# Altium PCB Netscale48HD_Sensorbar_Master.PcbDoc (part 1 of 5) (continued)
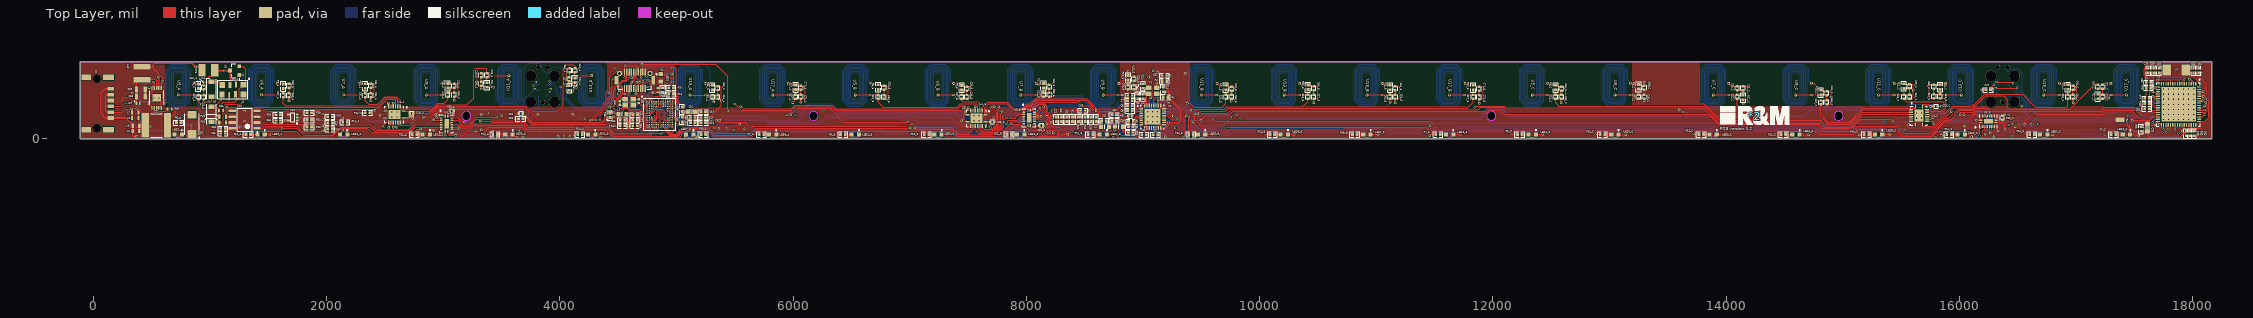
[diagram p0: Top Layer view]
## Components (designator, comment, footprint, x,y, rotation, side; value= is the part's Value field where it differs from the comment) (continued)
C75 "4.7uF" "CERAMIC CAPACITOR 0603 EIA" 17611.08,95.57 r270 top
C76 "0.1uF" "CERAMIC CAPACITOR 0402 EIA" 17554.98,83.76 r270 top
C77 "0.1uF" "CERAMIC CAPACITOR 0402 EIA" 17607.54,346.7 r0 top
C78 "0.1uF" "CERAMIC CAPACITOR 0402 EIA" 17618.56,584.95 r270 top
C79 "0.1uF" "CERAMIC CAPACITOR 0402 EIA" 17621.02,434.75 r0 top
C80 "0.1uF" "CERAMIC CAPACITOR 0402 EIA" 17621.02,483.96 r0 top
C81 "0.1uF" "CERAMIC CAPACITOR 0402 EIA" 17941.31,46.81 r90 top
C82 "0.1uF" "CERAMIC CAPACITOR 0402 EIA" 18010.21,46.81 r90 top
C83 "0.1uF" "CERAMIC CAPACITOR 0402 EIA" 17976.31,46.81 r90 top
C84 "4.7uF" "CERAMIC CAPACITOR 0603 EIA" 5126.89,233.86 r0 top
C85 "2.2uF" "CERAMIC CAPACITOR 0402 EIA" 5048.55,164.57 r270 top
C86 "2.2uF" "CERAMIC CAPACITOR 0402 EIA" 5048.55,253.54 r90 top
C87 "2.2uF" "CERAMIC CAPACITOR 0402 EIA" 8485.16,243.7 r0 top
C88 "0.1uF" "CERAMIC CAPACITOR 0402 EIA" 3665.25,171.99 r0 top
D1 "SMAJ51A" "BOURNS_DO-214AC (SMA) SMALL_2_R" 846.4,123.84 r90 top
D4 "P0080S4BLRP" P0080S4BLRP 1015.14,425.2 r90 top
D5 "P0080S4BLRP" P0080S4BLRP 1015.14,210.07 r90 top
D6 "CDSOT23-SM712" BOUR-SOT23-3_V 1213.12,584.77 r180 top
D7 "DESD3V3S1BL-7B" DFN1006-2 384.82,305.71 r0 top
FB1 "BK1005HS102-T" CAPC1005X55N 8888.56,195 r180 top
J1 "CONN_Erni" "ERNI_214013 RANDMONTAGE_6_R" 43.94,303.11 r90 top
J2 "DF12(3.5)-20DP-0.5V(86)" DF12(4.0)-20DP 4643.7,501.97 r0 top
L1 "HK1608R10J-T" "INDUCTOR 0603 EIA" 8793.43,103.15 r180 top value=100nH
L2 "HK1608R10J-T" "INDUCTOR 0603 EIA" 8673.35,103.15 r180 top value=100nH
L5 "BLM18KG601SN1D" "CAP-0603[1608] - RFL" 366.68,65.73 r0 top
L6 "BLM18KG601SN1D" "CAP-0603[1608] - RFL" 366.68,111.94 r0 top
L7 "BLM18KG601SN1D" "CAP-0603[1608] - RFL" 361.17,224.51 r0 top
L8 "BLM18KG601SN1D" "CAP-0603[1608] - RFL" 361.17,178.07 r0 top
L9 "600R(Z)" "INDUCTOR 0603 EIA" 4537.26,211.27 r0 top
L10 "78438357068" "WüRTH_SPECIAL MURATA LQH5BPN_2_R" 418.24,562.44 r90 top
LED1_A "APA1606SURCK" KINGBRIGHT_SMD_2_RWH 730.06,37.4 r180 top (schematic designator LED1)
LED1_B "APA1606SURCK" KINGBRIGHT_SMD_2_RWH 6533.88,37.4 r180 top (schematic designator LED1)
LED1_C "APA1606SURCK" KINGBRIGHT_SMD_2_RWH 12337.2,37.4 r180 top (schematic designator LED1)
LED2_A "APA1606SURCK" KINGBRIGHT_SMD_2_RWH 1439.79,37.4 r180 top (schematic designator LED2)
LED2_B "APA1606SURCK" KINGBRIGHT_SMD_2_RWH 7241.84,37.4 r180 top (schematic designator LED2)
LED2_C "APA1606SURCK" KINGBRIGHT_SMD_2_RWH 13045.08,37.4 r180 top (schematic designator LED2)
LED3_A "APA1606SURCK" KINGBRIGHT_SMD_2_RWH 2147.26,37.61 r180 top (schematic designator LED3)
LED3_B "APA1606SURCK" KINGBRIGHT_SMD_2_RWH 7950.91,37.05 r180 top (schematic designator LED3)
LED3_C "APA1606SURCK" KINGBRIGHT_SMD_2_RWH 13886.9,37.4 r180 top (schematic designator LED3)
LED4_A "APA1606SURCK" KINGBRIGHT_SMD_2_RWH 2856.16,37.61 r180 top (schematic designator LED4)
LED4_B "APA1606SURCK" KINGBRIGHT_SMD_2_RWH 8659.84,37.4 r180 top (schematic designator LED4)
LED4_C "APA1606SURCK" KINGBRIGHT_SMD_2_RWH 14596.92,37.4 r180 top (schematic designator LED4)
LED5_A "APA1606SURCK" KINGBRIGHT_SMD_2_RWH 3564.62,37.4 r180 top (schematic designator LED5)
LED5_B "APA1606SURCK" KINGBRIGHT_SMD_2_RWH 9501.58,38 r180 top (schematic designator LED5)
LED5_C "APA1606SURCK" KINGBRIGHT_SMD_2_RWH 15305.52,37.4 r180 top (schematic designator LED5)
LED6_A "APA1606SURCK" KINGBRIGHT_SMD_2_RWH 4273.58,37.4 r180 top (schematic designator LED6)
LED6_B "APA1606SURCK" KINGBRIGHT_SMD_2_RWH 10211.25,37.4 r180 top (schematic designator LED6)
LED6_C "APA1606SURCK" KINGBRIGHT_SMD_2_RWH 16014.12,37.4 r180 top (schematic designator LED6)
LED7_A "APA1606SURCK" KINGBRIGHT_SMD_2_RWH 5115.13,37.4 r180 top (schematic designator LED7)
LED7_B "APA1606SURCK" KINGBRIGHT_SMD_2_RWH 10919.71,37.4 r180 top (schematic designator LED7)
LED7_C "APA1606SURCK" KINGBRIGHT_SMD_2_RWH 16722.26,37.4 r180 top (schematic designator LED7)
LED8_A "APA1606SURCK" KINGBRIGHT_SMD_2_RWH 5825.32,37.4 r180 top (schematic designator LED8)
LED8_B "APA1606SURCK" KINGBRIGHT_SMD_2_RWH 11628.94,37.4 r180 top (schematic designator LED8)
LED8_C "APA1606SURCK" KINGBRIGHT_SMD_2_RWH 17430.75,37.4 r180 top (schematic designator LED8)
LED9 "blue led" KINGBRIGHT_SMD_2_RWH 4866,523.62 r270 top
P1 "CONN_2X10" FTSH-110-01-F-DH 3960.98,127.92 r0 bottom
P2 "CONN_2X03" FTSH-103-01-F-DH 9303.82,433 r0 bottom
P3 "J-LINK 10-PIN" CONN-SEGGER-10-PIN 3854.8,314.96 r90 bottom
P4 "J-LINK 10-PIN" CONN-SEGGER-10-PIN 16368.79,314.96 r90 bottom
P5 "Pad_1mmx2mm" PAD_1MMX2MM 17375.73,162.04 r270 top
R1 "RC0402FR-071KL" RESC1005X40N 9193.25,355 r180 top value=1K
R2 "RC0402FR-071KL" RESC1005X40N 8395.4,167.72 r270 top value=1K
R3 "RC0402FR-071KL" RESC1005X40N 8345.4,167.72 r90 top value=1K
R4 "DNP" RESC1005X40N 9182.93,492 r0 top
R5 "10K" "RES-0402[1005] - RFL" 4841.85,417.32 r90 top
R6_A "CRGP0402F68R" RESC1005X40N 733.6,139.17 r180 top value=68R (schematic designator R6)
R6_B "CRGP0402F68R" RESC1005X40N 6426.97,37.05 r0 top value=68R (schematic designator R6)
R6_C "CRGP0402F68R" RESC1005X40N 12229.91,37.4 r0 top value=68R (schematic designator R6)
R7_A "CRGP0402F68R" RESC1005X40N 5729.2,37.22 r0 top value=68R (schematic designator R7)
R7_B "CRGP0402F68R" RESC1005X40N 11529.07,37.4 r0 top value=68R (schematic designator R7)
R7_C "CRGP0402F68R" RESC1005X40N 17318.28,36.97 r0 top value=68R (schematic designator R7)
R8_A "ERJ-2RKF6200X" RESC1005X40N 901.86,450.59 r270 top value=620 (schematic designator R8)
R8_B "ERJ-2RKF6200X" RESC1005X40N 6730.16,443.47 r270 top value=620 (schematic designator R8)
R8_C "ERJ-2RKF6200X" RESC1005X40N 12536.71,440.25 r270 top value=620 (schematic designator R8)
R9_A "ERJ-2RKF6200X" RESC1005X40N 1628.74,450.61 r270 top value=620 (schematic designator R9)
R9_B "ERJ-2RKF6200X" RESC1005X40N 7444.74,438.6 r270 top value=620 (schematic designator R9)
R9_C "ERJ-2RKF6200X" RESC1005X40N 13247.61,446.55 r270 top value=620 (schematic designator R9)
R10_A "CRGP0402F68R" RESC1005X40N 1330,37.4 r0 top value=68R (schematic designator R10)
R10_B "CRGP0402F68R" RESC1005X40N 7145.23,37.05 r0 top value=68R (schematic designator R10)
R10_C "CRGP0402F68R" RESC1005X40N 12938.8,37.4 r0 top value=68R (schematic designator R10)
R11_A "CRGP0402F68R" RESC1005X40N 2158.71,143.85 r180 top value=68R (schematic designator R11)
R11_B "CRGP0402F68R" RESC1005X40N 7853.69,37.44 r0 top value=68R (schematic designator R11)
R11_C "CRGP0402F68R" RESC1005X40N 13785.93,37.4 r0 top value=68R (schematic designator R11)
R12_A "CRGP0402F68R" RESC1005X40N 2753.72,37.4 r0 top value=68R (schematic designator R12)
R12_B "CRGP0402F68R" RESC1005X40N 8550.63,37.05 r0 top value=68R (schematic designator R12)
R12_C "CRGP0402F68R" RESC1005X40N 14488.86,37.4 r0 top value=68R (schematic designator R12)
R13_A "CRGP0402F68R" RESC1005X40N 3445.92,37.61 r0 top value=68R (schematic designator R13)
R13_B "CRGP0402F68R" RESC1005X40N 9410.71,38 r0 top value=68R (schematic designator R13)
R13_C "CRGP0402F68R" RESC1005X40N 15201.56,37.36 r0 top value=68R (schematic designator R13)
R14_A "CRGP0402F68R" RESC1005X40N 4173,37.33 r0 top value=68R (schematic designator R14)
R14_B "CRGP0402F68R" RESC1005X40N 10108.49,37.4 r0 top value=68R (schematic designator R14)
R14_C "CRGP0402F68R" RESC1005X40N 15910.78,36.97 r0 top value=68R (schematic designator R14)
R15_A "CRGP0402F68R" RESC1005X40N 5230.44,37.22 r180 top value=68R (schematic designator R15)
R15_B "CRGP0402F68R" RESC1005X40N 10815.65,37.4 r0 top value=68R (schematic designator R15)
R15_C "CRGP0402F68R" RESC1005X40N 16621.66,36.97 r0 top value=68R (schematic designator R15)
R16 "0R" "RESISTOR 0402 EIA" 17607.54,302.27 r0 top
R17_A "ERJ-2RKF6200X" RESC1005X40N 2331.35,452.82 r270 top value=620 (schematic designator R17)
R17_B "ERJ-2RKF6200X" RESC1005X40N 8146.91,455.03 r270 top value=620 (schematic designator R17)
R17_C "ERJ-2RKF6200X" RESC1005X40N 14144.35,354.94 r90 top value=620 (schematic designator R17)
R18 "1K" "RESISTOR 0402 EIA" 4954.85,383.86 r0 top
R19_A "ERJ-2RKF6200X" RESC1005X40N 3039.37,455.54 r270 top value=620 (schematic designator R19)
R19_B "ERJ-2RKF6200X" RESC1005X40N 8871.63,523.54 r270 top value=620 (schematic designator R19)
R19_C "ERJ-2RKF6200X" RESC1005X40N 14810.97,396.41 r270 top value=620 (schematic designator R19)
R20 "10K" "RESISTOR 0402 EIA" 2031.35,82 r0 top
R21_A "ERJ-2RKF6200X" RESC1005X40N 3375.95,461.89 r90 top value=620 (schematic designator R21)
R21_B "ERJ-2RKF6200X" RESC1005X40N 9708.55,439.6 r270 top value=620 (schematic designator R21)
R21_C "ERJ-2RKF6200X" RESC1005X40N 15521.17,452.23 r270 top value=620 (schematic designator R21)
R22 "10K" "RESISTOR 0402 EIA" 2031.35,136 r0 top
R23_A "ERJ-2RKF6200X" RESC1005X40N 4128.94,502.39 r90 top value=620 (schematic designator R23)
R23_B "ERJ-2RKF6200X" RESC1005X40N 10413.37,441.87 r270 top value=620 (schematic designator R23)
R23_C "ERJ-2RKF6200X" RESC1005X40N 15832.98,444.74 r270 top value=620 (schematic designator R23)
R24 "10K" "RESISTOR 0402 EIA" 2351.04,222.71 r180 top
R25_A "ERJ-2RKF6200X" RESC1005X40N 5308.8,438.74 r270 top value=620 (schematic designator R25)
R25_B "ERJ-2RKF6200X" RESC1005X40N 11118.24,439.62 r270 top value=620 (schematic designator R25)
R25_C "ERJ-2RKF6200X" RESC1005X40N 16928.16,444.98 r270 top value=620 (schematic designator R25)
R26 "10K" "RESISTOR 0402 EIA" 2031.35,190 r0 top
R27_A "ERJ-2RKF6200X" RESC1005X40N 6021.51,442.1 r270 top value=620 (schematic designator R27)
R27_B "ERJ-2RKF6200X" RESC1005X40N 11831.53,438.94 r270 top value=620 (schematic designator R27)
R27_C "ERJ-2RKF6200X" RESC1005X40N 17185.29,362.45 r90 top value=620 (schematic designator R27)
R28 "10K" "RESISTOR 0402 EIA" 1852.94,222.71 r0 top
R29 "10" "RES-0603[1608] - RFL" 1109.57,188.98 r180 top
R30 "0R" "RESISTOR 0402 EIA" 1852.93,100 r0 top
R31 "120R" "RES-0402[1005] - RFL" 1096.97,243.7 r0 top
R32 "0R" "RESISTOR 0402 EIA" 1852.94,161.08 r0 top
R33 "10K" "RESISTOR 0402 EIA" 1585.93,207 r0 top
R34 "10" "RES-0603[1608] - RFL" 1109.57,140.16 r180 top
R35 "1K" "RESISTOR 0402 EIA" 4954.85,438.58 r0 top
R36 "60K4" "RES-0402[1005] - RFL" 656.28,255.51 r0 top
R38 "100K" "RESISTOR 0402 EIA" 4428.47,201.58 r270 top
R39 "51R" "RESISTOR 0402 EIA" 4645.53,111.23 r0 top
R40 "620R" "RESISTOR 0402 EIA" 4881.22,417.32 r90 top
R41 "10K" "RESISTOR 0402 EIA" 8446.97,167.72 r90 top
R42 "10K" "RESISTOR 0402 EIA" 8504.85,167.72 r270 top
TVS1 "TBU-CA065-200-WH" BOURNS_TBU_PL060_WH 1313.52,488.82 r180 top value=TBU-PL060-200-WH
U1 "TRF7960ARHBT" TEXASINSTRUMENTS_32-VFQFN_32_R 9082.54,188.98 r0 top
U2 "STM32F412VEH6" "STM_UFBGA100 7X7X0.6_100_R" 4856.81,209.84 r0 top
U3_A "74AHC595BQ,115" NEXPERIAUSAINC_16-VFQFN_16_R 3029.48,129.92 r270 top (schematic designator U3)
U3_B "74AHC595BQ,115" NEXPERIAUSAINC_16-VFQFN_16_R 8023.72,180.04 r270 top (schematic designator U3)
U3_C "74AHC595BQ,115" NEXPERIAUSAINC_16-VFQFN_16_R 16247.89,150.23 r0 top (schematic designator U3)
U4_A "SN74CBTLV3251" TEXASINSTRUMENTS_16-VFQFN_16_R 2582.54,208.66 r180 top (schematic designator U4)
U4_B "SN74CBTLV3251" TEXASINSTRUMENTS_16-VFQFN_16_R 7572.69,176.65 r180 top (schematic designator U4)
U4_C "SN74CBTLV3251" TEXASINSTRUMENTS_16-VFQFN_16_R 15652.46,199.54 r270 top (schematic designator U4)
U5_A "antenna" ANTENNA_1_LAYER#1 730.18,459.65 r0 top net-tie (schematic designator U5)
U5_B "antenna" ANTENNA_1_LAYER#1 6533.88,459.28 r0 top net-tie (schematic designator U5)
U5_C "antenna" ANTENNA_1_LAYER#1 12336.85,459.21 r0 top net-tie (schematic designator U5)
U6_A "antenna" ANTENNA_1_LAYER#1 1442.87,459.7 r0 top net-tie (schematic designator U6)
U6_B "antenna" ANTENNA_1_LAYER#1 7242.18,458.32 r0 top net-tie (schematic designator U6)
U6_C "antenna" ANTENNA_1_LAYER#1 13045.33,459.21 r0 top net-tie (schematic designator U6)
U7_A "antenna" ANTENNA_1_LAYER#1 2147.26,460.06 r0 top net-tie (schematic designator U7)
U7_B "antenna" ANTENNA_1_LAYER#1 7950.89,458.28 r0 top net-tie (schematic designator U7)
U7_C "antenna" ANTENNA_1_LAYER#1 13887.97,459.21 r0 top net-tie (schematic designator U7)
U8 "ATSAM4S16BA-MU" 64PS_N 17877.34,295.97 r270 top
U9_A "antenna" ANTENNA_1_LAYER#1 2856.86,459.45 r0 top net-tie (schematic designator U9)
U9_B "antenna" ANTENNA_1_LAYER#1 8659.82,458.4 r0 top net-tie (schematic designator U9)
U9_C "antenna" ANTENNA_1_LAYER#1 14596.51,459.21 r0 top net-tie (schematic designator U9)
U10 "SN65HVD11DR" "TI_D (R-PDSO-G8)_8_R" 1298.93,165 r180 top
U11_A "antenna" ANTENNA_1_LAYER#1 3564.08,458.96 r180 top net-tie (schematic designator U11)
U11_B "antenna" ANTENNA_1_LAYER#1 9502.34,458.4 r0 top net-tie (schematic designator U11)
U11_C "antenna" ANTENNA_1_LAYER#1 15305.11,459.21 r0 top net-tie (schematic designator U11)
U12 "IC BUF NON-INVERT" SOT353 1749.54,158.89 r180 top
U13_A "antenna" ANTENNA_1_LAYER#1 4273.58,459.42 r180 top net-tie (schematic designator U13)
U13_B "antenna" ANTENNA_1_LAYER#1 10210.7,459.2 r0 top net-tie (schematic designator U13)
U13_C "antenna" ANTENNA_1_LAYER#2 16013.76,459.12 r180 top net-tie (schematic designator U13)
U14 "LT3991EMSE-3.3#PBF" "LINEAR_10-LEAD PLASTIC MSOP_11_R" 544.02,351.32 r270 top
U15_A "antenna" ANTENNA_1_LAYER#1 5116.44,458.06 r0 top net-tie (schematic designator U15)
U15_B "antenna" ANTENNA_1_LAYER#1 10919.34,458.42 r0 top net-tie (schematic designator U15)
U15_C "antenna" ANTENNA_1_LAYER#1 16722.24,459.21 r0 top net-tie (schematic designator U15)
U17_A "antenna" ANTENNA_1_LAYER#1 5824.86,459.33 r0 top net-tie (schematic designator U17)
U17_B "antenna" ANTENNA_1_LAYER#1 11627.8,459.43 r0 top net-tie (schematic designator U17)
U17_C "antenna" ANTENNA_1_LAYER#2 17431.25,459.21 r180 top net-tie (schematic designator U17)
Y1 "CX2520DB13560H0FLJC1" AVX/KYOCERA_DFN4_4_RWH 9083.56,413 r270 top
Y2 "Crystal" ECS_ECX-2236_4_R 4594.35,315.49 r0 top
Y3 "ABM3-12.000MHZ-B2-T" ABM3-12.000MHZ-B2-T 17857.26,589.75 r180 top

## Footprints (in the part's own frame and the unit in brackets; to place one, negate y for a bottom-side part, rotate by r counter-clockwise, add the part's x,y. Pads: shape width x height; smd on the part's side, far side on the other; paste and mask are expansions set on the pad)
64PS_N [mm]
  oval 0.85x0.25 smd: 1(-4.475,3.75) 2(-4.475,3.25) 3(-4.475,2.75) 4(-4.475,2.25) 5(-4.475,1.75) 6(-4.475,1.25) 7(-4.475,0.75) 8(-4.475,0.25) 9(-4.475,-0.25) 10(-4.475,-0.75) 11(-4.475,-1.25) 12(-4.475,-1.75) 13(-4.475,-2.25) 14(-4.475,-2.75) 15(-4.475,-3.25) 16(-4.475,-3.75) 33(4.475,-3.75) 34(4.475,-3.25) 35(4.475,-2.75) 36(4.475,-2.25) 37(4.475,-1.75) 38(4.475,-1.25) 39(4.475,-0.75) 40(4.475,-0.25) 41(4.475,0.25) 42(4.475,0.75) 43(4.475,1.25) 44(4.475,1.75) 45(4.475,2.25) 46(4.475,2.75) 47(4.475,3.25) 48(4.475,3.75)
  oval 0.25x0.85 smd: 17(-3.75,-4.475) 18(-3.25,-4.475) 19(-2.75,-4.475) 20(-2.25,-4.475) 21(-1.75,-4.475) 22(-1.25,-4.475) 23(-0.75,-4.475) 24(-0.25,-4.475) 25(0.25,-4.475) 26(0.75,-4.475) 27(1.25,-4.475) 28(1.75,-4.475) 29(2.25,-4.475) 30(2.75,-4.475) 31(3.25,-4.475) 32(3.75,-4.475) 49(3.75,4.475) 50(3.25,4.475) 51(2.75,4.475) 52(2.25,4.475) 53(1.75,4.475) 54(1.25,4.475) 55(0.75,4.475) 56(0.25,4.475) 57(-0.25,4.475) 58(-0.75,4.475) 59(-1.25,4.475) 60(-1.75,4.475) 61(-2.25,4.475) 62(-2.75,4.475) 63(-3.25,4.475) 64(-3.75,4.475)
  rect 7.5x7.5 smd: 65(0,0)
  silkscreen extent -5.5,-4.72 4.72,4.72, body extent -4.57,-4.57 4.57,4.57, height 1
ABM3-12.000MHZ-B2-T [mm] "ABM3-12.000MHZ-B2-T"
  rect 1.9x2.4 smd: 1(-2.05,0) 2(2.05,0)
  body extent -2.5,-1.6 2.5,1.6, height 1.3
ANTENNA_1_LAYER#1 [mm] "antenna 1 layer"
  rect 0.6x0.15 smd paste-1: 1(3.377,-2.093)
  round 0.6 hole 0.3: 2(3.402,0.411)
  Top Layer lines w0.152: 0,-2.093 3.1,-2.093
  Bottom Layer lines w0.15: 0,-2.1 0,-2.45 -0.275,-2.725 -0.7,-2.725 -0.973,-2.452 -0.973,2.452 -0.675,2.75 0.675,2.75 0.977,2.448 0.977,-2.6 ; 0.975,-2.6 0.525,-3.05 -0.825,-3.05 -1.275,-2.6 -1.275,2.6 -0.825,3.05 0.825,3.05 1.275,2.6 1.275,-2.9 0.825,-3.35 -0.975,-3.35 -1.573,-2.752 -1.573,2.752 -0.975,3.35 0.975,3.35 1.577,2.748 1.577,-3.048 0.975,-3.65 -1.125,-3.65 -1.873,-2.902 -1.873,2.902 -1.125,3.65 1.125,3.65 1.875,2.9 1.875,-3.2 1.125,-3.95 -1.275,-3.95 -2.173,-3.052 -2.173,3.052 -1.275,3.95 1.275,3.95 2.177,3.048 ; 2.177,3.05 2.177,-3.325 2.177,-3.348 1.275,-4.25 -1.425,-4.25 -2.473,-3.202 -2.473,-3.175 -2.473,3.202 -1.425,4.25 1.425,4.25 2.475,3.2 2.475,-3.5 1.425,-4.55 -1.575,-4.55 -2.775,-3.35 -2.775,3.35 -1.575,4.55 1.575,4.55 2.775,3.35 2.775,1.038 3.207,0.607
ANTENNA_1_LAYER#2 [mm] "antenna 1 layer"
  rect 0.6x0.15 smd paste-1: 1(3.377,2.093)
  round 0.6 hole 0.3: 2(3.402,-0.411)
  Top Layer lines w0.152: 3.1,2.093 0,2.093
  Bottom Layer lines w0.15: 3.207,-0.607 2.775,-1.038 2.775,-3.35 1.575,-4.55 -1.575,-4.55 -2.775,-3.35 -2.775,3.35 -1.575,4.55 1.425,4.55 2.475,3.5 2.475,-3.2 1.425,-4.25 -1.425,-4.25 -2.473,-3.202 -2.473,3.175 -2.473,3.202 -1.425,4.25 1.275,4.25 2.177,3.348 2.177,3.325 2.177,-3.05 ; 2.177,-3.048 1.275,-3.95 -1.275,-3.95 -2.173,-3.052 -2.173,3.052 -1.275,3.95 1.125,3.95 1.875,3.2 1.875,-2.9 1.125,-3.65 -1.125,-3.65 -1.873,-2.902 -1.873,2.902 -1.125,3.65 0.975,3.65 1.577,3.048 1.577,-2.748 0.975,-3.35 -0.975,-3.35 -1.573,-2.752 -1.573,2.752 -0.975,3.35 0.825,3.35 1.275,2.9 1.275,-2.6 0.825,-3.05 -0.825,-3.05 -1.275,-2.6 -1.275,2.6 -0.825,3.05 0.525,3.05 0.975,2.6 ; 0.977,2.6 0.977,-2.448 0.675,-2.75 -0.675,-2.75 -0.973,-2.452 -0.973,2.452 -0.7,2.725 -0.275,2.725 0,2.45 0,2.1
AVX/KYOCERA_DFN4_4_RWH [mm]
  rect 1x1.2 smd: 1(-0.65,0.85) 2(-0.65,-0.85) 3(0.65,-0.85) 4(0.65,0.85)
  silkscreen extent -1.1,1.65 -1,1.75, body extent -1.05,-1.45 1.5,1.45, height 0.55
BOUR-SOT23-3_V [mm] "SOT23, 3-Leads, Body 2.9x1.3mm, Pitch 0.95mm"
  rect 0.85x0.85 smd: 1(-1,0.95) 2(-1,-0.95) 3(1,0)
  silkscreen extent -1.13,-1.5 0.65,2.05, body extent -0.65,-1.45 0.65,1.45, height 1.17
"BOURNS_DO-214AC (SMA) SMALL_2_R" [mm] "Bourns_DO-214AC (SMA) small_2_R"
  rect 1.7x2 smd: 1(-2.1,0) 2(2.1,0)
  silkscreen extent -3.02,-1.73 2.3,1.6, body extent -2.6,-1.3 2.6,1.3, height 2.4
BOURNS_TBU_PL060_WH [mm] "TBU-PL060-200-WH"
  rect 1.3x1.275 smd: 1(0.65,0.637)
  rect 0.4x1.2 smd: 2(2.25,0.6) 6(3.725,2.8)
  rect 0.7x1.35 smd: 3(3.55,0.675) 7(2.35,2.725)
  rect 1.25x1.335 smd: 4(5.275,0.667)
  rect 1.15x1.335 smd: 5(5.325,2.732)
  rect 1.275x1.275 smd: 8(0.638,2.762)
  Multi-Layer region: 3.774,-0.042
  silkscreen extent -0.7,-0.77 6.19,3.7, body extent -0.3,-0.31 6.2,3.67, height 1
"CAP-0603[1608] - RFL" [mm] "SMD Chip 0603 - CAP - RFL"
  rect 0.5x0.9 smd: 1(-0.7,0) 2(0.7,0)
  body extent -0.8,-0.4 0.8,0.4, height 0.8
"CAP-0805[2012] - RFL" [mm] "SMD Chip 0805 - CAP - RFL"
  rect 0.7x1.3 smd: 1(-0.95,0) 2(0.95,0)
  body extent -1,-0.62 1,0.63, height 0.6
"CAP-1210[3225] - RFL" [mm] "SMD Chip 1210  - CAP - RFL"
  rect 1.6x2.7 smd: 1(-1.4,0) 2(1.4,0)
  body extent -1.6,-1.25 1.6,1.25, height 0.84
CAPC0402(1005)60_L [mm] "Chip Capacitor, Body 1.0x0.5mm, Height 0.6mm, IPC High Density"
  rect 0.52x0.52 smd: 1(-0.4,0) 2(0.4,0)
  body extent -0.55,-0.3 0.55,0.3, height 0.6
CAPC1005X55N [mm]
  rect 0.54x0.6 smd: 1(-0.43,0) 2(0.43,0)
  silkscreen extent -0.5,-0.48 0.5,0.48
CAPC5750X279X64LL40T39 [mm] "Chip Capacitor, 2-Leads, Body 6.1x5.4mm, IPC High Density"
  rect 1.6x5.3 smd: 1(-2.425,0) 2(2.425,0)
  silkscreen extent -1.25,-2.55 1.25,2.55, body extent -3.05,-2.7 3.05,2.7, height 2.79
"Ceramic Capacitor 0402 EIA" [mm]
  round 0.2 on Mech15: 0(0,0)
  rrect20% 0.6x0.5 smd: 1(-0.5,0) 2(0.5,0)
  Top Layer pour cut-out: -0.325,0.375 -0.2,0.5 0.2,0.5 0.325,0.375 0.325,-0.375 0.2,-0.5 -0.2,-0.5 -0.325,-0.375
  silkscreen extent -1.05,-0.5 1.05,0.5, body extent -0.52,-0.27 0.53,0.28, height 0.55
"CERAMIC CAPACITOR 0402 EIA" [mm]
  round 0.2 on Mech15: 0(0,0)
  rrect20% 0.6x0.5 smd: 1(-0.5,0) 2(0.5,0)
  Top Layer pour cut-out: -0.325,0.375 -0.2,0.5 0.2,0.5 0.325,0.375 0.325,-0.375 0.2,-0.5 -0.2,-0.5 -0.325,-0.375
  silkscreen extent -1.05,-0.5 1.05,0.5, body extent -0.52,-0.27 0.53,0.28, height 0.55
"CERAMIC CAPACITOR 0603 EIA" [mm]
  round 0.254 on Mech15: 0(0,0)
  rrect25% 0.9x1 smd: 1(-0.85,0) 2(0.85,0)
  Top Layer pour cut-out: -0.6,0.5 -0.4,0.7 0.4,0.7 0.6,0.5 0.6,-0.5 0.4,-0.7 -0.4,-0.7 -0.6,-0.5
  silkscreen extent -0.18,-0.48 0.18,0.48, body extent -0.85,-0.45 0.85,0.45, height 0.89
CONN-SEGGER-10-PIN [mil] "J-Link 10-pin Needle Adapter"
  round 31 smd: 1(50,-25) 2(100,-25) 3(150,-25) 4(200,-25) 5(250,-25) 6(250,25) 7(200,25) 8(150,25) 9(100,25) 10(50,25)
  round 93.5 hole 93.5 unplated: None(0,-100) None(0,100) None(225,-100) None(225,100)
  round 39 hole 39 unplated: None(0,0) None(300,-39.96) None(300,39.96)
  Top Layer keep-out region: 54.13,11.81 245.08,11.81 245.08,-12.8 54.13,-12.8
  silkscreen extent -54,-154 328,153
DF12(4.0)-20DP [mm]
  rect 0.3x1.6 smd: 1(-2.25,-1.8) 2(-2.25,1.8) 3(-1.75,-1.8) 4(-1.75,1.8) 5(-1.25,-1.8) 6(-1.25,1.8) 7(-0.75,-1.8) 8(-0.75,1.8) 9(-0.25,-1.8) 10(-0.25,1.8) 11(0.25,-1.8) 12(0.25,1.8) 13(0.75,-1.8) 14(0.75,1.8) 15(1.25,-1.8) 16(1.25,1.8) 17(1.75,-1.8) 18(1.75,1.8) 19(2.25,-1.8) 20(2.25,1.8)
  round 1.15 hole 0.65: 21(-3.3,1.5) 24(3.3,1.5)
  rect 0.8x1.8 smd: 22(-4,0) 23(4,0)
  silkscreen extent -3.6,-1.9 3.6,-1.13, body extent -4.05,-2.3 4.05,13.5, height 8.83
DFN1006-2 [mm] "DFN, 2-Leads, Body 0.57x1.00mm, Pitch 0.65mm, IPC Medium Density"
  rect 0.4x0.7 smd: 1(-0.35,0) 2(0.35,0)
  silkscreen extent -0.85,0.3 -0.75,0.4, body extent -0.53,-0.3 0.53,0.3, height 0.53
ECS_ECX-2236_4_R [mm] "ECS_ECX-2236_4_R"
  rect 1.2x1 smd: 1(-0.85,-0.65) 2(0.85,-0.65) 3(0.85,0.65) 4(-0.85,0.65)
  silkscreen extent -1.7,-1.4 -1.7,-1.4, body extent -1.25,-1 1.25,1, height 0.5
"ERNI_214013 RANDMONTAGE_6_R" [mm] "ERNI_214013 Randmontage_6_R"
  rect 1.2x2.4 smd: 0(-5.685,-2.25) 0(5.685,-2.25)
  rect 1.2x2.12 smd: 0(-5.685,2.61) 0(5.685,2.61)
  round 0 hole 1.6 unplated paste+0 mask+0.102: 0(-5.385,0.3)
  round 0 hole 1.6 unplated: 0(5.385,0.3)
  rect 0.8x1.4 smd: 1(-3.175,-2.75) 2(-1.905,-2.75) 3(-0.635,-2.75) 4(0.635,-2.75) 5(1.905,-2.75) 6(3.175,-2.75)
  body extent -6.35,-3.31 6.35,3.89, height 2.96
FTSH-103-01-F-DH [mm] "FTSH-103-01-F-DH"
  rect 0.737x2 smd mask+0.051: 1(-1.27,-1.5) 2(-1.27,1.5) 3(0,-1.5) 4(0,1.5) 5(1.27,-1.5) 6(1.27,1.5)
  silkscreen extent -1.97,-2.15 -1.97,-2.15, body extent -1.9,-8.76 1.91,2.13, height 3.43
FTSH-110-01-F-DH [mm] "FTSH-110-01-F-DH"
  rect 0.737x2 smd mask+0.051: 1(-5.715,-1.5) 2(-5.715,1.5) 3(-4.445,-1.5) 4(-4.445,1.5) 5(-3.175,-1.5) 6(-3.175,1.5) 7(-1.905,-1.5) 8(-1.905,1.5) 9(-0.635,-1.5) 10(-0.635,1.5) 11(0.635,-1.5) 12(0.635,1.5) 13(1.905,-1.5) 14(1.905,1.5) 15(3.175,-1.5) 16(3.175,1.5) 17(4.445,-1.5) 18(4.445,1.5) 19(5.715,-1.5) 20(5.715,1.5)
  silkscreen extent -6.42,-2.15 -6.41,-2.15, body extent -6.35,-2.13 6.35,8.76, height 3.43
"INDUCTOR 0603 EIA" [mm]
  round 0.254 on Mech15: 0(0,0)
  rrect25% 0.9x1 smd: 1(-0.85,0) 2(0.85,0)
  Top Layer pour cut-out: -0.6,0.5 -0.4,0.7 0.4,0.7 0.6,0.5 0.6,-0.5 0.4,-0.7 -0.4,-0.7 -0.6,-0.5
  silkscreen extent 0,-0.4 0,0.4, body extent -0.87,-0.47 0.88,0.48, height 0.54
KINGBRIGHT_SMD_2_RWH [mm] "Kingbright_SMD_2_RWH"
  rect 0.9x0.9 smd: 1(-0.8,0) 2(0.8,0)
  silkscreen extent -0.93,-1.07 -0.68,-0.83, body extent -0.8,-0.3 0.8,0.9, height 0.6
"LINEAR_10-LEAD PLASTIC MSOP_11_R" [mm] "Linear_10-Lead Plastic MSOP_11_R"
  rect 0.889x0.305 smd mask+0.082: 1(-2.171,1) 2(-2.171,0.5) 3(-2.171,0) 4(-2.171,-0.5) 5(-2.171,-1) 6(2.171,-1) 7(2.171,-0.5) 8(2.171,0) 9(2.171,0.5) 10(2.171,1)
  rect 1.68x1.88 smd mask+0.082: 11(0,0)
  silkscreen extent -2.16,-1.55 1.5,1.55, body extent -1.55,-1.55 1.55,1.55, height 1.1
NEXPERIAUSAINC_16-VFQFN_16_R [mm]
  rect 0.6x0.3 smd paste-0.05 mask+0.08: 1(-1.65,-0.25) 8(1.65,-0.25) 9(1.65,0.25) 16(-1.65,0.25)
  rect 0.3x0.6 smd paste-0.05 mask+0.08: 2(-1.25,-1.15) 3(-0.75,-1.15) 4(-0.25,-1.15) 5(0.25,-1.15) 6(0.75,-1.15) 7(1.25,-1.15) 10(1.25,1.15) 11(0.75,1.15) 12(0.25,1.15) 13(-0.25,1.15) 14(-0.75,1.15) 15(-1.25,1.15)
  rect 2x1 smd: 17(0,0)
  silkscreen extent -2.96,-1.45 1.95,1.45, body extent -1.85,-1.35 1.85,1.35, height 1
P0080S4BLRP [mm] "SOD-123FL_Package"
  rect 0.98x1.25 smd: 1(-1.61,0) 2(1.61,0)
  silkscreen extent -2.17,-1 2.17,1
PAD_1MMX2MM [mm] "Pad_1mmx2mm"
  rect 1x2 smd paste-1: 1(0,0)
"RES-0402[1005] - RFL" [mm] "SMD Chip 0402 - RES - RFL"
  rect 0.4x0.6 smd: 1(-0.45,0) 2(0.45,0)
  body extent -0.5,-0.25 0.5,0.25, height 0.33
"RES-0603[1608] - RFL" [mm] "SMD Chip 0603 - RES - RFL"
  rect 0.5x0.9 smd: 1(-0.75,0) 2(0.75,0)
  body extent -0.8,-0.4 0.8,0.4, height 0.43
RESC1005X40N [mm] "Chip Resistor, Body 1.0x0.5mm, EIA 0402, IPC Medium Density"
  round 0.2 on Mech15: 0(0,0)
  rrect20% 0.6x0.6 smd: 1(-0.5,0) 2(0.5,0)
  Top Layer pour cut-out: -0.325,0.375 -0.2,0.5 0.2,0.5 0.325,0.375 0.325,-0.375 0.2,-0.5 -0.2,-0.5 -0.325,-0.375
  silkscreen extent -1.05,-0.55 1.05,0.55, body extent -0.52,-0.27 0.53,0.28, height 0.4
"RESISTOR 0402 EIA" [mm]
  round 0.2 on Mech15: 0(0,0)
  rrect20% 0.6x0.6 smd: 1(-0.5,0) 2(0.5,0)
  Top Layer pour cut-out: -0.325,0.375 -0.2,0.5 0.2,0.5 0.325,0.375 0.325,-0.375 0.2,-0.5 -0.2,-0.5 -0.325,-0.375
  silkscreen extent -1.05,-0.55 1.05,0.55, body extent -0.52,-0.27 0.53,0.28, height 0.4
SOT353 [mm]
  rect 0.6x0.42 smd: 1(0,0) 2(0,-0.65) 3(0,-1.3) 4(1.9,-1.3) 5(1.9,0)
  silkscreen extent -0.06,-1.63 1.4,0.82, body extent -0.18,-1.78 2.08,0.48, height 1.09
"STM_UFBGA100 7X7X0.6_100_R" [mm] "STM_UFBGA100 7x7x0.6_100_R"
  round 0.28 smd mask+0.09: A1(-2.75,2.75) A2(-2.25,2.75) A3(-1.75,2.75) A4(-1.25,2.75) A5(-0.75,2.75) A6(-0.25,2.75) A7(0.25,2.75) A8(0.75,2.75) A9(1.25,2.75) A10(1.75,2.75) A11(2.25,2.75) A12(2.75,2.75) B1(-2.75,2.25) B2(-2.25,2.25) B3(-1.75,2.25) B4(-1.25,2.25) B5(-0.75,2.25) B6(-0.25,2.25) B7(0.25,2.25) B8(0.75,2.25) B9(1.25,2.25) B10(1.75,2.25) B11(2.25,2.25) B12(2.75,2.25) C1(-2.75,1.75) C2(-2.25,1.75) C3(-1.75,1.75) C4(-1.25,1.75) C5(-0.75,1.75) C8(0.75,1.75) C9(1.25,1.75) C10(1.75,1.75) C11(2.25,1.75) C12(2.75,1.75) D1(-2.75,1.25) D2(-2.25,1.25) D3(-1.75,1.25) D10(1.75,1.25) D11(2.25,1.25) D12(2.75,1.25) E1(-2.75,0.75) E2(-2.25,0.75) E3(-1.75,0.75) E10(1.75,0.75) E11(2.25,0.75) E12(2.75,0.75) F1(-2.75,0.25) F2(-2.25,0.25) F11(2.25,0.25) F12(2.75,0.25) G1(-2.75,-0.25) G2(-2.25,-0.25) G11(2.25,-0.25) G12(2.75,-0.25) H1(-2.75,-0.75) H2(-2.25,-0.75) H3(-1.75,-0.75) H10(1.75,-0.75) H11(2.25,-0.75) H12(2.75,-0.75) J1(-2.75,-1.25) J2(-2.25,-1.25) J3(-1.75,-1.25) J10(1.75,-1.25) J11(2.25,-1.25) J12(2.75,-1.25) K1(-2.75,-1.75) K2(-2.25,-1.75) K3(-1.75,-1.75) K4(-1.25,-1.75) K5(-0.75,-1.75) K8(0.75,-1.75) K9(1.25,-1.75) K10(1.75,-1.75) K11(2.25,-1.75) K12(2.75,-1.75) L1(-2.75,-2.25) L2(-2.25,-2.25) L3(-1.75,-2.25) L4(-1.25,-2.25) L5(-0.75,-2.25) L6(-0.25,-2.25) L7(0.25,-2.25) L8(0.75,-2.25) L9(1.25,-2.25) L10(1.75,-2.25) L11(2.25,-2.25) L12(2.75,-2.25) M1(-2.75,-2.75) M2(-2.25,-2.75) M3(-1.75,-2.75) M4(-1.25,-2.75) M5(-0.75,-2.75) M6(-0.25,-2.75) M7(0.25,-2.75) M8(0.75,-2.75) M9(1.25,-2.75) M10(1.75,-2.75) M11(2.25,-2.75) M12(2.75,-2.75)
  silkscreen extent -3.97,-3.5 3.5,3.97, body extent -3.5,-3.5 3.5,3.5, height 0.6
SYMBOL_R&M [mil] "Reichle & De-Massari printing"
  silkscreen extent -297,-71 294,84
TEXASINSTRUMENTS_16-VFQFN_16_R [mm]
  rect 0.85x0.28 smd: 1(-1.975,-0.75) 8(1.975,-0.75) 9(1.975,0.75) 16(-1.975,0.75)
  rect 0.28x0.85 smd: 2(-1.25,-1.725) 3(-0.75,-1.725) 4(-0.25,-1.725) 5(0.25,-1.725) 6(0.75,-1.725) 7(1.25,-1.725) 10(1.25,1.725) 11(0.75,1.725) 12(0.25,1.725) 13(-0.254,1.724) 14(-0.75,1.725) 15(-1.25,1.725)
  round 0.55 hole 0.3: 17(-0.55,0.55) 17(-0.55,-0.55) 17(0.55,0.55) 17(0.55,-0.55)
  rect 2.55x2.05 smd: 17(0,0)
  silkscreen extent -2.83,-1.83 2.07,1.83, body extent -2.07,-1.83 2.07,1.83, height 1
TEXASINSTRUMENTS_32-VFQFN_32_R [mm]
  rect 0.85x0.28 smd: 1(-2.475,1.75) 2(-2.475,1.25) 3(-2.475,0.75) 4(-2.475,0.25) 5(-2.475,-0.25) 6(-2.475,-0.75) 7(-2.475,-1.25) 8(-2.475,-1.75) 17(2.475,-1.75) 18(2.475,-1.25) 19(2.475,-0.75) 20(2.475,-0.25) 21(2.475,0.25) 22(2.475,0.75) 23(2.475,1.25) 24(2.475,1.75)
  rect 0.28x0.85 smd: 9(-1.75,-2.475) 10(-1.25,-2.475) 11(-0.75,-2.475) 12(-0.25,-2.475) 13(0.25,-2.475) 14(0.75,-2.475) 15(1.25,-2.475) 16(1.75,-2.475) 25(1.75,2.475) 26(1.25,2.475) 27(0.75,2.475) 28(0.25,2.475) 29(-0.25,2.475) 30(-0.75,2.475) 31(-1.25,2.475) 32(-1.75,2.475)
  rect 3.45x3.45 smd: 10(0,0)
  silkscreen extent -3.35,-2.57 2.58,2.57, body extent -2.58,-2.58 2.58,2.58, height 1
"TI_D (R-PDSO-G8)_8_R" [mm] "TI_D (R-PDSO-G8)_8_R"
  rect 1.55x0.6 smd: 1(-2.7,1.905) 2(-2.7,0.635) 3(-2.7,-0.635) 4(-2.7,-1.905) 5(2.7,-1.905) 6(2.7,-0.635) 7(2.7,0.635) 8(2.7,1.905)
  silkscreen extent -2.85,-2.5 1.6,2.88, body extent -3,-2.45 3,2.45, height 1.63
"WüRTH_SPECIAL MURATA LQH5BPN_2_R" [mm] "Würth_Special Murata LQH5BPN_2_R"
  rect 1.25x3.7 smd: 1(-1.4,0) 2(1.4,0)
  silkscreen extent -2.3,1.75 -2.3,1.75, body extent -2.45,-2.45 2.45,2.45, height 4